# Altium PCB CRD25DA12N-FMC V1.1 (07-2023).PcbDoc (part 5 of 7) (continued)
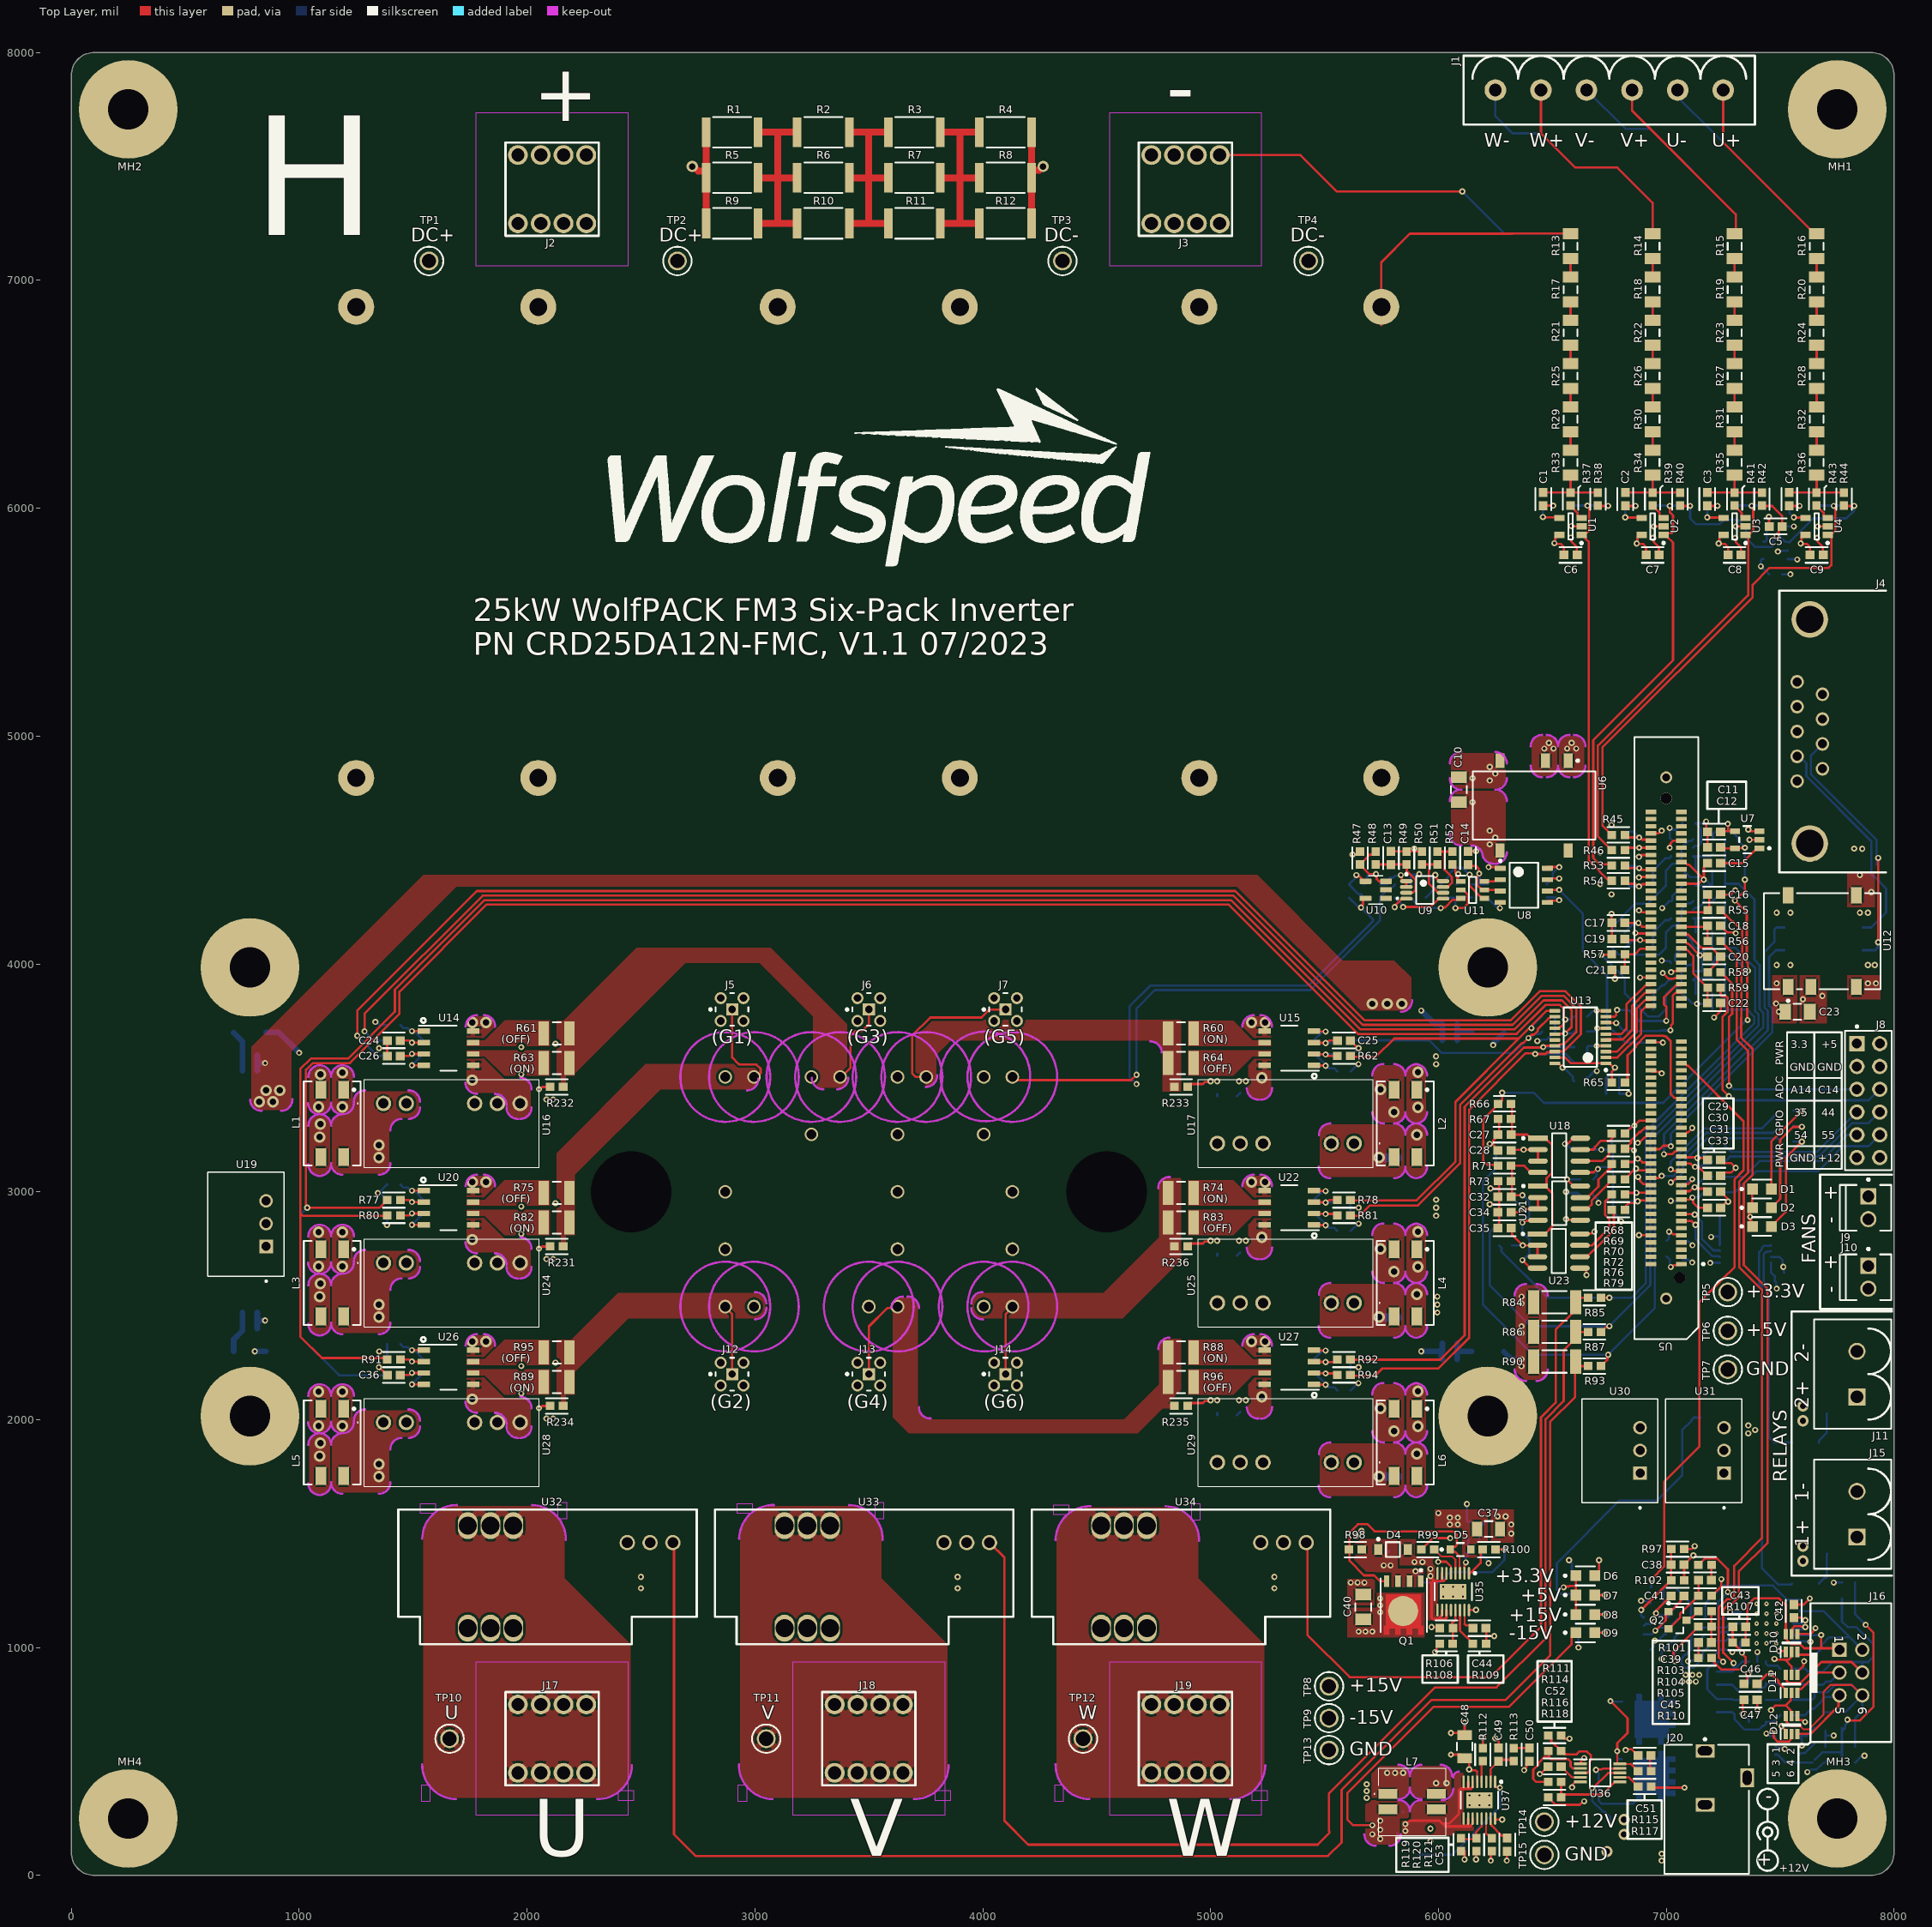
[diagram p0: Top Layer view]
## Nets (pads, with @x,y where several pads share a name; then routed paths per layer and width w, separated by ;. In a path a pad name is that pad's centre, name@x,y a point inside that pad or via, vN(x,y) a via of type N, cw(c..) or ccw(c..) an arc to the next point about the centre after c; other vN are vias at no path point) (continued)
V: Q3.V U33.4 U33.5 U33.6
V_HI_OC: C107.1 R70.2 U5.91 | length 197.9
  Top Layer w10: R70.2@6822.09,3115 6822.09,3117.95 6834.8,3130.67 6855.15,3130.67 6869.65,3145.16 v1(6874.25,3145.16) 6878.85,3145.16 6895.35,3128.66 6928.23,3128.66 U5.91@6933.07,3123.82
  Bottom Layer w10: C107.1@6822.09,3116.97 6835.79,3130.67 6855.15,3130.67 6869.65,3145.16 v1(6874.25,3145.16)
V_HS: R92.1 R181.1 R184.2 U13.17 | length 8454.3
  Top Layer w10: v1(1286.73,3704.04) 1286.73,3781.73 1805,4300 5100,4300 5667.28,3732.72 6326,3732.72 6453.28,3860 6550,3860 6605.27,3804.73 6605.27,3700.27 6552.31,3647.31 6533.06,3647.31 6526.34,3640.59 6470.19,3640.59 6464.6,3635 v1(6460,3635) 6458.33,3633.33 6375.05,3633.33 6115,3373.28 6115,2370 6007.8,2262.8 5614.83,2262.8 R92.1@5613.62,2264
  Bottom Layer w10: v1(1286.73,3704.04) 1326.76,3664 R181.1@1386.38,3664 ; v1(6460,3635) 6595.38,3635 R184.2@6596.38,3636
V_HS+_FILT: C24.1 R181.2 U14.2 | length 162
  Top Layer w10: C24.1@1443.58,3664 1481.4,3664 1490.4,3655 v1(1495,3655) U14.2@1546.73,3655
  Bottom Layer w10: R181.2@1443.62,3664 1481.4,3664 1490.4,3655 v1(1495,3655)
V_HS-_FILT: C139.1 R92.2 U27.3 | length 164.7
  Top Layer w10: U27.3@5453.27,2255 5454.37,2253.9 5503.9,2253.9 v1(5505,2252.8) 5545.17,2252.8 R92.2@5556.38,2264
  Bottom Layer w10: v1(5505,2252.8) 5545.22,2252.8 C139.1@5556.42,2264
V_HS_PWM: U5.53 U13.3 | length 356.1
  Top Layer w10: U13.3@6735,3615 6783.23,3615 6870,3701.77 6870,3804.64 6906.98,3841.61 6930.16,3841.61 U5.53@6935,3846.46
V_LO_OC: C108.1 R72.2 U5.93 | length 204.7
  Top Layer w10: R72.2@6820,3055 6820,3057.95 6863.81,3101.76 v1(6867.48,3101.76) 6872.08,3101.76 6880.33,3093.5 6931.89,3093.5 U5.93@6933.07,3092.32
  Bottom Layer w10: C108.1@6833.7,3057.16 6827.37,3063.48 6826.52,3063.48 6864.79,3101.76 v1(6867.48,3101.76)
V_LS: R94.1 R186.1 R187.2 U13.18 | length 8711.8
  Top Layer w10: v1(1255,3685) 1255,3795 1780,4320 5108.28,4320 5675.57,3752.72 6317.72,3752.72 6445,3880 6558.28,3880 6625.27,3813.02 6625.27,3691.98 6549.21,3615.93 6511.52,3615.93 6507.72,3612.13 6477.43,3612.13 6470.14,3604.83 6425.17,3604.83 v1@6425.08,3604.92 ; R94.1@5613.62,2196 5616.83,2192.8 5722.8,2192.8 5754.76,2224.76 5999.76,2224.76 6135,2360 6135,3360 6383.25,3608.25 6401.5,3608.25 6401.67,3608.08 6421.75,3608.08 v1(6425,3604.83)
  Bottom Layer w10: v1(1255,3685) 1344,3596 R186.1@1386.38,3596 ; v1(6425,3604.83) 6425.17,3605 6558.47,3605 6595.47,3568 R187.2@6596.38,3568
V_LS+_FILT: C142.1 R94.2 U27.2 | length 161.1
  Top Layer w10: U27.2@5453.27,2205 5454.37,2203.9 5503.9,2203.9 v1(5505,2202.8) 5549.58,2202.8 R94.2@5556.38,2196
  Bottom Layer w10: v1(5505,2202.8) 5549.63,2202.8 C142.1@5556.42,2196
V_LS-_FILT: C26.1 R186.2 U14.3 | length 162
  Top Layer w10: C26.1@1443.58,3596 1481.4,3596 1490.4,3605 v1(1495,3605) U14.3@1546.73,3605
  Bottom Layer w10: R186.2@1443.62,3596 1481.4,3596 1490.4,3605 v1(1495,3605)
V_LS_PWM: U5.55 U13.2 | length 351.8
  Top Layer w10: U13.2@6735,3589.41 6785.92,3589.41 6890,3693.49 6890,3793.14 6908.75,3811.89 6931.93,3811.89 U5.55@6935,3814.96
V_OUT: J18.1 J18.2 J18.3 J18.4 J18.5 J18.6 J18.7 J18.8 TP11.1 U33.1 U33.2 U33.3
VDC_MEAS: C72.1 R54.2 U5.21 | length 205.5
  Top Layer w10: R54.2@6812.09,4355 6815.04,4352.04 6863.36,4352.04 6875.4,4340 6884.6,4340 6894.45,4349.85 6934.45,4349.85 U5.21@6935,4350.39
  Bottom Layer w10: C72.1@6822.55,4365 6837.47,4350.08 6837.47,4342.89 6840.36,4340 v1(6880,4340)
VIN: J20.1 Q6.5 R117.2 R118.2 U36.1 | length 359.9
  Top Layer w10: R118.2@6481.38,342 6482.28,342 6514.28,310 6620.4,310 6635.4,325 v1(6640,325) ; U36.1@6622.91,489.37 6624.09,489.37 6625,490.27 6625,500 v1(6640,515) ; R117.2@6933.62,390 6938.62,385 v1(7080,385)
VIN_MID: Q6.1 Q6.2 Q6.3 Q7.1 Q7.2 Q7.3
VIN_PROTECT: Q7.5 R229.1 U36.9 | length 558.8
  Top Layer w8: v1(6691.6,463.14) 6693.29,464.84 6717.1,464.84 6721.1,468.84 6795.93,468.84 U36.9@6796.93,469.84
  Bottom Layer w10: v1(6691.6,463.14) 6691.6,458.54 6703.35,446.79 6703.35,327.08 6715.43,315 6855,315 6880,340 6880,380 Q7.5@6935,435
VU_MEAS: C65.1 R45.2 U5.9 | length 225.3
  Top Layer w10: R45.2@6808.54,4580 6808.54,4577.05 6821.26,4564.33 6824.21,4564.33 6833.54,4555 v1(6881.1,4555) 6885.7,4555 6894.72,4545.98 6928.23,4545.98 U5.9@6933.07,4541.14
  Bottom Layer w10: C65.1@6808.54,4580 6856.1,4580 v1(6881.1,4555)
VU_N: J1.2 R122.1 | length 888.5
  Bottom Layer w10: J1.2@7050,7835 7066.17,7818.83 7066.17,7788.83 7190,7665 7190.28,7665 7650.16,7205.12 R122.1@7660,7205.12
VU_P: J1.1 R16.1 | length 805.5
  Top Layer w10: J1.1@7250,7835 7250,7605.28 7650.16,7205.12 R16.1@7660,7205.12
VV_MEAS: C66.1 R46.2 U5.11 | length 204
  Top Layer w10: R46.2@6808.54,4505 6813.54,4510 v1(6881.1,4510) 6881.28,4509.82 6933.05,4509.82 U5.11@6935,4507.87
  Bottom Layer w10: C66.1@6808.54,4505 6813.54,4510 v1(6881.1,4510)
VV_N: J1.4 R123.1 | length 967.7
  Bottom Layer w10: J1.4@6650,7835 6820,7665 6930,7665 7305,7290 7305,7210.12 R123.1@7300,7205.12
VV_P: J1.3 R15.1 | length 820.4
  Top Layer w10: J1.3@6850,7835 6850,7745 7305,7290 7305,7210.12 R15.1@7300,7205.12
VW_MEAS: C68.1 R53.2 U5.17 | length 206
  Top Layer w10: R53.2@6808.54,4430 6818.54,4420 v1(6881.1,4420) 6885.7,4420 6892.32,4413.39 U5.17@6935,4413.39
  Bottom Layer w10: C68.1@6812.55,4430 6866.5,4430 6876.5,4420 v1(6881.1,4420)
VW_N: J1.6 R124.1 | length 1097.3
  Bottom Layer w10: J1.6@6250,7835 6250,7720 6325,7645 6450,7645 6600,7495 6785,7495 6940,7340 R124.1@6940,7205.12
VW_P: J1.5 R14.1 | length 941.2
  Top Layer w10: J1.5@6450,7835 6450,7645 6600,7495 6785,7495 6940,7340 R14.1@6940,7205.12
W: Q3.W U34.4 U34.5 U34.6
W_HI_OC: C113.1 R76.2 U5.99 | length 161.7
  Top Layer w10: R76.2@6823.54,2995 6823.85,2995.31 v1(6869.39,2995.31) 6870.65,2996.57 6931.81,2996.57 U5.99@6933.07,2997.83
  Bottom Layer w10: C113.1@6823.54,2995 6823.85,2995.31 v1(6869.39,2995.31) ; v1@6869.39,3000.31 v1@6874.39,3000.31
W_HS: R62.1 R78.1 R177.2 U13.11 | length 2247.7
  Top Layer w10: R78.1@5613.62,2964 5614.83,2962.8 5904.51,2962.8 6075,3133.28 6075,3395 6352.5,3672.5 ; R62.1@5613.62,3596 5616.83,3592.8 5725.86,3592.8 5805.78,3672.72 6352.28,3672.72 6352.5,3672.5 ; v1(6408.14,3717.98) v1@6403.06,3723.06 ; U13.11@6510.59,3794.13 6474.13,3794.13 v1@6403.06,3723.06 ; 6352.5,3672.5 v1@6403.06,3723.06
  Bottom Layer w10: v1(6408.14,3717.98) 6411.39,3721.23 6411.39,3727.3 6454.09,3770 R177.2@6455,3770
W_HS+_FILT: C90.1 R62.2 U15.2 | length 161.1
  Top Layer w10: U15.2@5453.27,3605 5454.37,3603.9 5503.9,3603.9 v1(5505,3602.8) 5509.6,3602.8 5516.4,3596 R62.2@5556.38,3596
  Bottom Layer w10: v1(5505,3602.8) 5549.63,3602.8 C90.1@5556.42,3596
W_HS-_FILT: C116.1 R78.2 U22.3 | length 164.7
  Top Layer w10: U22.3@5453.27,2955 5454.37,2953.9 5503.9,2953.9 v1(5505,2952.8) 5509.6,2952.8 5520.8,2964 R78.2@5556.38,2964
  Bottom Layer w10: v1(5505,2952.8) 5545.22,2952.8 C116.1@5556.42,2964
W_HS_PWM: U5.50 U13.9 | length 518.5
  Top Layer w10: U13.9@6735,3768.54 6773.62,3768.54 6780.61,3775.53 6780.61,3795 v1(6783.87,3798.26) ; v1(7000,3750) 7000,3811.69 6990,3821.69 6990,3853.77 7040.83,3904.61 7064.02,3904.61 U5.50@7068.86,3909.45
  Bottom Layer w10: v1(6783.87,3798.26) 6834.2,3798.26 6882.46,3750 v1(7000,3750)
W_LO_OC: C119.1 R79.2 U5.101 | length 224.3
  Top Layer w10: R79.2@6823.54,2935 6823.54,2937.95 6836.26,2950.67 6861.87,2950.67 6869.86,2958.65 v1(6874.46,2958.65) ; v1@6874.4,2960.32 6876.53,2962.44 6932.87,2962.44 U5.101@6935,2964.57
  Bottom Layer w10: C119.1@6818.58,2915 C119.1@6830,2903.58 ; C119.1@6820,2915 6820,2931.46 6823.54,2935 6823.54,2936.97 6837.24,2950.67 6839.21,2950.67 6845.9,2957.36 6873.16,2957.36 v1(6874.46,2958.65)
W_LS: R81.1 R180.2 R182.1 U13.12 | length 2317.9
  Top Layer w10: R81.1@5613.62,2896 5614.62,2895 5655,2895 5700,2940 5910,2940 6095,3125 6095,3381.57 6366.76,3653.33 6373.64,3653.33 v1(6395.15,3674.85) 6395.15,3675.12 6409.51,3689.48 6419.94,3689.48 6436.64,3706.18 6436.64,3714.9 6483.57,3761.83 6488.13,3761.83 6494.84,3768.54 U13.12@6510.59,3768.54
  Bottom Layer w10: R182.1@5613.62,3664 5614.62,3665 5958.66,3665 6013.66,3610 6330.3,3610 6373.92,3653.61 v1(6395.15,3674.85) 6398.41,3678.1 6407.8,3678.1 6423.19,3693.5 6445.5,3693.5 R180.2@6455,3703
W_LS+_FILT: C121.1 R81.2 U22.2 | length 161.1
  Top Layer w10: U22.2@5453.27,2905 5454.37,2903.9 5503.9,2903.9 v1(5505,2902.8) 5549.58,2902.8 R81.2@5556.38,2896
  Bottom Layer w10: v1(5505,2902.8) 5549.63,2902.8 C121.1@5556.42,2896
W_LS-_FILT: C25.1 R182.2 U15.3 | length 164.7
  Top Layer w10: U15.3@5453.27,3655 5454.37,3653.9 5503.9,3653.9 v1(5505,3652.8) 5509.6,3652.8 5520.8,3664 C25.1@5556.42,3664
  Bottom Layer w10: v1(5505,3652.8) 5545.17,3652.8 R182.2@5556.38,3664
W_LS_PWM: U5.52 U13.8 | length 504.5
  Top Layer w10: U13.8@6735,3742.95 6736.2,3741.75 6779.32,3741.75 v1(6780.52,3740.55) ; v1(7018.47,3708.51) 7021.72,3711.76 7021.72,3731.42 7028.5,3738.19 7028.5,3860.78 7040.83,3873.11 7064.02,3873.11 U5.52@7068.86,3877.95
  Bottom Layer w10: v1(6780.52,3740.55) 6816.07,3705 6973.95,3705 6977.46,3708.51 v1(7018.47,3708.51)
W_OUT: J19.1 J19.2 J19.3 J19.4 J19.5 J19.6 J19.7 J19.8 TP12.1 U34.1 U34.2 U34.3
pads on no net: HS1.1 HS1.2 HS1.4 J4.1 J4.4 J4.6 J4.8 MH1.1 MH2.1 MH3.1 MH4.1 Q3.MH1 Q3.MH2 U5. U5.1 U5.2 U5.3 U5.4 U5.5 U5.6 U5.8 U5.12 U5.14 U5.15 U5.18 U5.20 U5.23 U5.24 U5.25 U5.26 U5.27 U5.28 U5.31 U5.32 U5.41 U5.42 U5.43 U5.44 U5.45 U5.54 U5.56 U5.58 U5.59 U5.60 U5.61 U5.62 U5.63 U5.66 U5.67 U5.68 U5.69 U5.70 U5.71 U5.72 U5.73 U5.75 U5.76 U5.77 U5.78 U5.80 U5.82 U5.85 U5.86 U5.89 U5.103 U5.104 U5.105 U5.107 U5.109 U5.110 U5.113 U5.114 U5.115 U5.116 U5.117 U5.118 U5.119 U5.121 U5.122 U6.8 U10.1 U10.2 U12.8 U13.13 U13.16 U35.12 U37.3 U37.12 U43.11 U43.12 U43.13 U43.14 U43.15 U43.16 U44.7 U44.8

## Polygon pours and split planes (outlines as drawn)
GND_NTC on Layer 2 "GND_NTC_L02_P208" (solid, pour order 208): 3970,3530 3970,3445 4690,3445 4690,3530
S4 on Layer 2 "S4_L02_P194" (solid, pour order 194): 3740,2070 3790,2070 3790,2025 4610,2025 4745,2160 4745,2370 5265,2370 5265,1775 4745,1775 4745,1910 3655,1910 3425,2140 3425,2585 3740,2585
S3 on Layer 2 "S3_L02_P186" (solid, pour order 186): 18 vertices, not listed, extent 1735,3325 3555,4095
S1 on Layer 2 "S1_L02_P063" (solid, pour order 63): 23 vertices, not listed, extent 1735,2625 3075,3875
S5 on Layer 2 "S5_L02_P051" (solid, pour order 51): 20 vertices, not listed, extent 3545,3175 5265,3860
S6 on Layer 2 "S6_L02_P050" (solid, pour order 50): 18 vertices, not listed, extent 3925,2120 5265,3070
S2 on Layer 2 "S2_L02_P000" (solid, pour order 0): 18 vertices, not listed, extent 1735,1925 3075,2585
GND on Layer 2 "GND_L02_P011" (solid, pour order 11): 66 vertices, not listed, extent 490,50 7950,6175
U_OUT on Layer 2 "U_OUT_L02_P301" (solid, pour order 301): 1545,1620 1545,340 2455,340 2455,1015 2165,1305 2165,1620
V_OUT on Layer 2 "V_OUT_L02_P302" (solid, pour order 302): 2935,1620 2935,340 3845,340 3845,1015 3555,1305 3555,1620
W_OUT on Layer 2 "W_OUT_L02_P303" (solid, pour order 303): 4325,1615 4325,340 5235,340 5235,1015 4945,1305 4945,1615
GND_ISO on Layer 2 "GND_ISO_L02_P294" (solid, pour order 294): 7733.93,4445 7733.93,4366.29 7810,4366.29 7810,3845 7950,3845 7950,5595 7540,5595 7540,4445
GND_NTC on Layer 2 "GND_NTC_L02_P211" (solid, pour order 211): 6055,4575 6000,4575 6000,4520 5585,4520 5585,4235 6295,4235 6295,4925 6055,4925
U on Layer 4 "U_L04_P297" (solid, pour order 297): 1545,1000 2165,1000 2165,1390 2530,1755 2540,1765 2540,2400 2785,2645 2955,2645 2955,2845 2695,2845 2310,2460 2310,1850 2115,1655 1545,1655 1545,1580
W on Layer 4 "W_L04_P296" (solid, pour order 296): 4680,1380 4535,1525 4530,1525 4530,2615 4300,2845 4045,2845 4045,2645 4167.5,2645 4280,2532.5 4280,1000 4880,1000 4880,1380
V on Layer 4 "V_L04_P295" (solid, pour order 295): 3710,2645 3710,2845 3315,2845 3125,2655 3125,2040 2935,1850 2935,1000 3555,1000 3555,1795 3325,2025 3325,2510 3460,2645
DC+ on Layer 4 "DC+_L04_P261" (solid, pour order 261): 1091.5,3916.5 2208.5,3916.5 2305,3820 2305,3185 4638,3185 6238,4785 6238,7740 758,7740 758,4250
+3.3V on Layer 4 "+3.3V_L04_P443" (solid, pour order 443): 33 vertices, not listed, extent 5970,50 7950,6175
+5V on Layer 4 "+5V_L04_P087" (solid, pour order 87): 7565,648.03 7593.03,620 7625,620 7625,560 7425,560 7425,705 7500,705 7530,735 7530,740 7530,1895 7500,1925 7340,1925 7340,1990 7565,1990 7565,1955
-3V_V_LS on Layer 4 "-3V_V_LS_L04_P088" (solid, pour order 88): 4745,2370 5265,2370 5265,1775 4745,1775
-3V_W_LS on Layer 4 "-3V_W_LS_L04_P089" (solid, pour order 89): 4745,3070 5265,3070 5265,2475 4745,2475
-3V_W_HS on Layer 4 "-3V_W_HS_L04_P155" (solid, pour order 155): 4745,3770 5265,3770 5265,3175 4745,3175
-15V on Layer 4 "-15V_L04_P185" (solid, pour order 185): 41 vertices, not listed, extent 2385,50 5945,1620
+5V on Layer 4 "+5V_L04_P253" (solid, pour order 253): 6160,3765 6160,1665 5425,1665 5425,3765
+12V on Layer 4 "+12V_L04_P204" (solid, pour order 204): 1395,1850 1470,1850 1470,1925 1575,1925 1575,3725 490,3725 490,1680 1395,1680
-3V_U_HS on Layer 4 "-3V_U_HS_L04_P332" (solid, pour order 332): 1735,3080 2245,3080 2245,2625 1735,2625
-3V_V_HS on Layer 4 "-3V_V_HS_L04_P343" (solid, pour order 343): 1735,3780 2245,3780 2245,3325 1735,3325
-3V_U_LS on Layer 4 "-3V_U_LS_L04_P344" (solid, pour order 344): 1735,2380 2245,2380 2245,1925 1735,1925
VIN on Layer 4 "VIN_L04_P221" (solid, pour order 221): 6610,50 6610,600 7385,600 7385,50
+5V_ISO on Layer 4 "+5V_ISO_L04_P293" (solid, pour order 293): 7753.85,4445 7753.85,4390 7810,4390 7810,3845 7950,3845 7950,5595 7675,5595 7540,5595 7540,4445
+5V_NTC on Layer 4 "+5V_NTC_L04_P265" (solid, pour order 265): 6055,4575 6000,4575 6000,4520 5585,4520 5585,4235 6295,4235 6295,4925 6055,4925
DC- on Layer 3 "DC-_L03_P269" (solid, pour order 269): 1119.15,3888.85 2226.15,3888.85 2310,3805 2310,2930 4565,2930 6238,4603 6238,7740 758,7740 758,4250
+12V on Layer 3 "+12V_L03_P167" (solid, pour order 167): 49 vertices, not listed, extent 5425,50 7950,3865
+15V on Layer 3 "+15V_L03_P002" (solid, pour order 2): 7230,835 7305,760 7305,560 7950,560 7950,1205 7305,1205 7305,1040.39 7230,965 7025,965 7025,835
+5V on Layer 3 "+5V_L03_P064" (solid, pour order 64): 30 vertices, not listed, extent 5970,1915 7950,6175
+15V_U_HS on Layer 3 "+15V_U_HS_L03_P008" (solid, pour order 8): 1735,3080 2245,3080 2245,2625 1735,2625
+15V_U_LS on Layer 3 "+15V_U_LS_L03_P345" (solid, pour order 345): 1735,2380 2245,2380 2245,1925 1735,1925
+15V_V_HS on Layer 3 "+15V_V_HS_L03_P346" (solid, pour order 346): 1735,3780 2245,3780 2245,3325 1735,3325
+5V_ALT on Layer 3 "+5V_ALT_L03_P199" (solid, pour order 199): 1395,1845 1470,1845 1470,1925 1575,1925 1575,3725 490,3725 490,1680 1395,1680
+15V_W_HS on Layer 3 "+15V_W_HS_L03_P086" (solid, pour order 86): 4745,3770 5265,3770 5265,3170 4745,3170
+15V_W_LS on Layer 3 "+15V_W_LS_L03_P085" (solid, pour order 85): 4745,3070 5265,3070 5265,2475 4745,2475
+15V_V_LS on Layer 3 "+15V_V_LS_L03_P274" (solid, pour order 274): 4745,2370 5265,2370 5265,1775 4745,1775
+15V on Layer 3 "+15V_L03_P156" (solid, pour order 156): 44 vertices, not listed, extent 2380,50 5945,1515
U_OUT on Layer 3 "U_OUT_L03_P268" (solid, pour order 268): 1545,1620 1545,340 2455,340 2455,1015 2165,1305 2165,1620
V_OUT on Layer 3 "V_OUT_L03_P267" (solid, pour order 267): 2935,1620 2935,340 3845,340 3845,1015 3555,1305 3555,1620
W_OUT on Layer 3 "W_OUT_L03_P264" (solid, pour order 264): 4325,1615 4325,340 5235,340 5235,1015 4945,1305 4945,1615
+5V_ISO on Layer 3 "+5V_ISO_L03_P187" (solid, pour order 187): 7755,4445 7755,4390 7810,4390 7810,3845 7950,3845 7950,5595 7675,5595 7540,5595 7540,4445
+5V_NTC on Layer 3 "+5V_NTC_L03_P239" (solid, pour order 239): 6055,4575 6000,4575 6000,4520 5585,4520 5585,4235 6295,4235 6295,4925 6055,4925
U on Bottom Layer "U_L06_P272" (solid, pour order 272): 1545,1000 2165,1000 2165,1390 2530,1755 2540,1765 2540,2400 2785,2645 2955,2645 2955,2845 2695,2845 2310,2460 2310,1850 2115,1655 1545,1655 1545,1580
DC+ on Bottom Layer "DC+_L06_P198" (solid, pour order 198): 5308,3855 4640,3855 4638,3185 1823,3185 758,4250 758,7740 6238,7740 6238,4785
W on Bottom Layer "W_L06_P015" (solid, pour order 15): 4680,1380 4530,1530 4530,2615 4300,2845 4045,2845 4045,2645 4167.5,2645 4280,2532.5 4280,1000 4880,1000 4880,1380
V on Bottom Layer "V_L06_P013" (solid, pour order 13): 3710,2645 3710,2845 3315,2845 3125,2655 3125,2040 2935,1850 2935,1000 3555,1000 3555,1795 3325,2025 3325,2510 3460,2645
GND on Bottom Layer "GND_L06_P359" (solid, pour order 359): 7470,2109.76 7470,1944.76 7625,1944.76 7625,2109.76
+15V on Bottom Layer "+15V_L06_P238" (solid, pour order 238): 17 vertices, not listed, extent 5630,815 7165,1240
VIN on Bottom Layer "VIN_L06_P149" (solid, pour order 149): 7025,565 7070,520 7070,460 7235,460 7235,615 7165,615 7115,665 7115,805 6862.17,805 6862.17,565
+12V on Bottom Layer "+12V_L06_P442" (solid, pour order 442): 805,2785 775,2755 685,2755 685,2660 905,2660 905,2805 805,2805
GND on Bottom Layer "GND_L06_P441" (solid, pour order 441): 795,2936.88 826.88,2905 905,2905 905,2815 826.88,2815 795,2783.12 795,2765 685,2765 685,2955 795,2955
+5V_ALT on Bottom Layer "+5V_ALT_L06_P440" (solid, pour order 440): 773.12,2965 805,2933.12 805,2915 905,2915 905,3060 685,3060 685,2965
+12V on Bottom Layer "+12V_L06_P439" (solid, pour order 439): 7203.58,1790 7173.58,1760 7083.58,1760 7083.58,1665 7303.58,1665 7303.58,1810 7203.58,1810
GND on Bottom Layer "GND_L06_P438" (solid, pour order 438): 7193.58,1941.88 7225.47,1910 7303.58,1910 7303.58,1820 7225.46,1820 7193.58,1788.12 7193.58,1770 7083.58,1770 7083.58,1960 7193.58,1960
+5V on Bottom Layer "+5V_L06_P437" (solid, pour order 437): 7171.7,1970 7203.58,1938.12 7203.58,1920 7303.58,1920 7303.58,2065 7083.58,2065 7083.58,1970
GND on Bottom Layer "GND_L06_P436" (solid, pour order 436): 6530,5000 6530,4825 6638.38,4825 6638.38,5000
+5V on Bottom Layer "+5V_L06_P435" (solid, pour order 435): 6410,5000 6410,4825 6520,4825 6520,5000
NetC105_1 on Bottom Layer "NETC105_1_L06_P433" (solid, pour order 433): 6045,3085 5480,3085 5480,3295 6045,3295
NetC135_1 on Bottom Layer "NETC135_1_L06_P432" (solid, pour order 432): 6045,2385 5480,2385 5480,2595 6045,2595
NetC156_1 on Bottom Layer "NETC156_1_L06_P104" (solid, pour order 104): 6045,1685 5480,1685 5480,1895 6045,1895
-3V_W_HS on Bottom Layer "-3V_W_HS_L06_P415" (solid, pour order 415): 5265,3545 5265,3175 5180,3175 5180,3427.2 5180,3545
S5 on Bottom Layer "S5_L06_P414" (solid, pour order 414): 5039.01,3260 5094,3205 5095,3205 5095,3175 5170,3175 5170,3545 4975,3545 4975,3260
+15V_W_HS on Bottom Layer "+15V_W_HS_L06_P413" (solid, pour order 413): 4965,3555 5265,3555 5265,3770 4970,3770 4745,3770 4745,3175 5085,3175 5085,3250 5025,3250 4965,3310
-3V_W_LS on Bottom Layer "-3V_W_LS_L06_P412" (solid, pour order 412): 5265,2845 5265,2475 5180,2475 5180,2727.2 5180,2845
S6 on Bottom Layer "S6_L06_P411" (solid, pour order 411): 5039.01,2560 5094,2505 5095,2505 5095,2475 5170,2475 5170,2845 4975,2845 4975,2560
+15V_W_LS on Bottom Layer "+15V_W_LS_L06_P410" (solid, pour order 410): 4965,2855 5265,2855 5265,3070 4970,3070 4745,3070 4745,2475 5085,2475 5085,2550 5025,2550 4965,2610
S4 on Bottom Layer "S4_L06_P096" (solid, pour order 96): 5039.01,1860 5094,1805 5095,1805 5095,1775 5170,1775 5170,2145 4975,2145 4975,1860
+15V_V_LS on Bottom Layer "+15V_V_LS_L06_P093" (solid, pour order 93): 4965,2155 5265,2155 5265,2370 4970,2370 4745,2370 4745,1775 5085,1775 5085,1850 5025,1850 4965,1910
+15V_V_HS on Bottom Layer "+15V_V_HS_L06_P399" (solid, pour order 399): 2030,3425 2030,3480 2080,3480 2080,3780 2245,3780 2245,3325 1935,3325 1935,3425
-3V_V_HS on Bottom Layer "-3V_V_HS_L06_P398" (solid, pour order 398): 1820,3405.41 1850,3435 1870,3435 1870,3780 1735,3780 1735,3325 1820.86,3325 1820,3325.86
S3 on Bottom Layer "S3_L06_P397" (solid, pour order 397): 1880,3455 1850,3425 1830,3425 1830,3325 1865,3325 1925,3325 1925,3379.01 1979.01,3379.01 1980,3380 1980,3435 2070,3435 2070,3780 1880,3780
+15V_U_LS on Bottom Layer "+15V_U_LS_L06_P396" (solid, pour order 396): 2030,2025 2030,2080 2080,2080 2080,2380 2245,2380 2245,1925 1935,1925 1935,2025
-3V_U_LS on Bottom Layer "-3V_U_LS_L06_P395" (solid, pour order 395): 1820,2005.41 1850,2035 1870,2035 1870,2380 1735,2380 1735,1925 1820.86,1925 1820,1925.86
S2 on Bottom Layer "S2_L06_P394" (solid, pour order 394): 1880,2055 1850,2025 1830,2025 1830,1925 1865,1925 1925,1925 1925,1979.01 1979.01,1979.01 1980,1980 1980,2035 2070,2035 2070,2380 1880,2380
NetC106_1 on Bottom Layer "NETC106_1_L06_P387" (solid, pour order 387): 1225,3080 1225,3240 1395,3240 1395,3080
NetC106_2 on Bottom Layer "NETC106_2_L06_P386" (solid, pour order 386): 1395,3275.77 1444.23,3325 1525,3325 1525,3440 1230,3440 1230,3365 1045,3365 1045,3080 1215,3080 1215,3198.6 1265.17,3248.77 1265.17,3250 1395,3250
NetC157_1 on Bottom Layer "NETC157_1_L06_P385" (solid, pour order 385): 1225,1680 1225,1840 1395,1840 1395,1680
NetC157_2 on Bottom Layer "NETC157_2_L06_P384" (solid, pour order 384): 1395,1875.77 1444.23,1925 1525,1925 1525,2040 1230,2040 1230,1965 1045,1965 1045,1680 1215,1680 1215,1798.6 1265.17,1848.77 1265.17,1850 1395,1850
NetC136_2 on Bottom Layer "NETC136_2_L06_P255" (solid, pour order 255): 1395,2575.77 1444.23,2625 1525,2625 1525,2740 1230,2740 1230,2665 1045,2665 1045,2380 1215,2380 1215,2498.6 1265.17,2548.77 1265.17,2550 1395,2550
NetC136_1 on Bottom Layer "NETC136_1_L06_P256" (solid, pour order 256): 1225,2380 1225,2540 1395,2540 1395,2380
+15V_U_HS on Bottom Layer "+15V_U_HS_L06_P340" (solid, pour order 340): 2030,2725 2030,2780 2080,2780 2080,3080 2245,3080 2245,2625 1935,2625 1935,2725
S1 on Bottom Layer "S1_L06_P021" (solid, pour order 21): 1880,2755 1850,2725 1830,2725 1830,2625 1865,2625 1925,2625 1925,2679.01 1979.01,2679.01 1980,2680 1980,2735 2070,2735 2070,3080 1880,3080
-3V_U_HS on Bottom Layer "-3V_U_HS_L06_P028" (solid, pour order 28): 1820,2705.41 1850,2735 1870,2735 1870,3080 1735,3080 1735,2625 1820.86,2625 1820,2625.86
GND on Bottom Layer "GND_L06_P164" (solid, pour order 164): 3780,1330 3780,1240 4005,1240 4005,1330
-15V on Bottom Layer "-15V_L06_P373" (solid, pour order 373): 5170,1515 5170,1340 5270,1340 5270,1515
GND on Bottom Layer "GND_L06_P372" (solid, pour order 372): 5170,1330 5170,1240 5395,1240 5395,1330
+15V on Bottom Layer "+15V_L06_P371" (solid, pour order 371): 5280,1515 5280,1340 5395,1340 5395,1515
-15V on Bottom Layer "-15V_L06_P370" (solid, pour order 370): 2390,1515 2390,1340 2490,1340 2490,1515
GND on Bottom Layer "GND_L06_P369" (solid, pour order 369): 2390,1330 2390,1240 2615,1240 2615,1330
+15V on Bottom Layer "+15V_L06_P368" (solid, pour order 368): 2500,1515 2500,1340 2615,1340 2615,1515
+15V on Bottom Layer "+15V_L06_P159" (solid, pour order 159): 3890,1515 3890,1340 4005,1340 4005,1515
-15V on Bottom Layer "-15V_L06_P306" (solid, pour order 306): 3780,1515 3780,1340 3880,1340 3880,1515
GND_ISO on Bottom Layer "GND_ISO_L06_P292" (solid, pour order 292): 7790,4525 7790,4405 7885,4405 7885,4525
+12V on Bottom Layer "+12V_L06_P361" (solid, pour order 361): 7775,1550 7775,1415 7980,1415 7980,1550
NetD18_2 on Bottom Layer "NETD18_2_L06_P360" (solid, pour order 360): 7760,1545 7760,1560 7980,1560 7980,1840 7480,1840 7480,1545
GND on Bottom Layer "GND_L06_P225" (solid, pour order 225): 5730,315 5755,340 5840,340 5840,430 5665,430 5665,290 5730,290
VIN_MID on Bottom Layer "VIN_MID_L06_P151" (solid, pour order 151): 6850,740 6850,575 6760,575 6760,490 6850,490 6850,330 6715,330 6715,740
VIN_PROTECT on Bottom Layer "VIN_PROTECT_L06_P152" (solid, pour order 152): 6935,150 6935,120 7055,120 7055,555 6862.17,555 6862.17,150
NetD17_2 on Bottom Layer "NETD17_2_L06_P129" (solid, pour order 129): 7760,2160 7760,2175 7980,2175 7980,2455 7480,2455 7480,2160
+12V on Bottom Layer "+12V_L06_P355" (solid, pour order 355): 6835,1790 6805,1760 6715,1760 6715,1665 6935,1665 6935,1810 6835,1810
-3V_V_LS on Bottom Layer "-3V_V_LS_L06_P099" (solid, pour order 99): 5265,2145 5265,1775 5180,1775 5180,2027.2 5180,2145
+5V_ISO on Bottom Layer "+5V_ISO_L06_P290" (solid, pour order 290): 7790,4395 7790,4295 7910,4295 7910,4340 7885,4340 7885,4395
GND_ISO on Bottom Layer "GND_ISO_L06_P288" (solid, pour order 288): 7870,3930 7870,3830 7950,3830 7950,3930
+5V_ISO on Bottom Layer "+5V_ISO_L06_P287" (solid, pour order 287): 7895,4010 7815,4010 7815,3900 7815,3830 7860,3830 7860,3940 7900,3940 7950,3940 7950,4010
GND_ISO on Bottom Layer "GND_ISO_L06_P286" (solid, pour order 286): 7815,4290 7815,4210 7950,4210 7950,4290
GND on Bottom Layer "GND_L06_P285" (solid, pour order 285): 7465,3935 7465,3775 7535,3775 7535,3935
+3.3V on Bottom Layer "+3.3V_L06_P282" (solid, pour order 282): 7605,3830 7605,3910 7585,3910 7585,4010 7465,4010 7465,3945 7540,3945 7540,3830
GND on Bottom Layer "GND_L06_P281" (solid, pour order 281): 7450,4295 7450,4210 7585,4210 7585,4295
GND on Bottom Layer "GND_L06_P240" (solid, pour order 240): 6785,4635 6785,4285 6695,4285 6695,4635
NetC159_1 on Bottom Layer "NETC159_1_L06_P234" (solid, pour order 234): 5735,1525 5735,1345 5820,1345 5820,1525
GND on Bottom Layer "GND_L06_P232" (solid, pour order 232): 5625,1525 5625,1345 5725,1345 5725,1525
+12V on Bottom Layer "+12V_L06_P230" (solid, pour order 230): 5955,1605 5955,1395 6095,1395 6095,1605
NetD4_2 on Bottom Layer "NETD4_2_L06_P229" (solid, pour order 229): 5915,1355 5950,1320 5950,1300 5980,1300 5980,1355 5945,1390 5930,1390 5930,1605 5810,1605 5810,1580 5830,1560 5830,1355
GND on Bottom Layer "GND_L06_P226" (solid, pour order 226): 5880,225 5880,110 5980,110 5980,225
NetC182_1 on Bottom Layer "NETC182_1_L06_P192" (solid, pour order 192): 5980,315 6005,340 6010,345 6055,345 6055,430 5885,430 5885,235 5980,235
NetC182_2 on Bottom Layer "NETC182_2_L06_P223" (solid, pour order 223): 5875,330 5875,180 5840,180 5840,225 5785,225 5785,330
-15V on Bottom Layer "-15V_L06_P190" (solid, pour order 190): 5835,167.5 5835,165 5855,165 5855,120 5855,45 5680,45 5680,260 5770,260 5770,225 5835,225
GND on Bottom Layer "GND_L06_P222" (solid, pour order 222): 6920,115 6920,140 6880,140 6880,125 6880,25 6995,25 6995,115
+12V on Bottom Layer "+12V_L06_P220" (solid, pour order 220): 7775,2165 7775,2030 7980,2030 7980,2165
+12V on Bottom Layer "+12V_L06_P154" (solid, pour order 154): 6705,305 6705,25 6865,25 6865,140 6840,140 6840,305